# Allegro board 8880F5-0826_3.brd (continued)
## Routing (per net, layer and track width the routed paths; a pad name or vN(x,y) marks a point on that pad's centre or on a via; arc(x,y) is an arc through that point) (continued)
  L03_SIGNAL w0.074: 411.48,329.39 D109.B5 ; D109.B5 412.29,330.2 ; D109.B5 411.48,331.01 ; D109.B5 410.67,330.2 ; 316.69,375.92 D115.A13 ; D115.A13 317.5,375.11 ; D115.A13 318.31,375.92 ; D115.A13 317.5,376.73 ; 180.34,72.85 D118.A9 ; D118.A9 180.34,74.47 ; D118.A9 179.53,73.66 ; D118.A9 181.15,73.66 ; D321.B6 247.09,91.44 ; D321.B6 245.67,91.44 ; D321.B6 246.38,90.73 ; D321.B6 246.38,92.15 ; D107.B7 397.05,58.42 ; D107.B7 395.43,58.42 ; D107.B7 396.24,57.61 ; D107.B7 396.24,59.23 ; 45.72,75.39 D126.A14 ; D126.A14 46.53,76.2 ; D126.A14 44.91,76.2 ; D126.A14 45.72,77.01 ; D317.A1 160.02,84.53 ; D317.A1 159.31,83.82 ; D317.A1 160.73,83.82 ; D317.A1 160.02,83.11 ; 124.46,95.71 D129.A16 ; D129.A16 123.65,96.52 ; D129.A16 124.46,97.33 ; D129.A16 125.27,96.52 ; 388.62,352.25 D110.A14 ; D110.A14 389.43,353.06 ; D110.A14 388.62,353.87 ; D110.A14 387.81,353.06 ; CSDPS225.B2 271.78,333.55 ; CSDPS225.B2 272.59,332.74 ; CSDPS225.B2 270.97,332.74 ; CSDPS225.B2 271.78,331.93 ; D108.B16 419.91,40.64 ; D108.B16 419.1,39.83 ; D108.B16 419.1,41.45 ; D108.B16 418.29,40.64 ; 124.46,60.15 D131.B16 ; D131.B16 124.46,61.77 ; D131.B16 123.65,60.96 ; D131.B16 125.27,60.96 ; D126.B12 40.64,82.09 ; D126.B12 40.64,80.47 ; D126.B12 39.83,81.28 ; D126.B12 41.45,81.28 ; 347.17,391.16 D116.B1 ; D116.B1 347.98,391.97 ; D116.B1 348.79,391.16 ; D116.B1 347.98,390.35 ; D103.B12 335.28,61.77 ; D103.B12 335.28,60.15 ; D103.B12 336.09,60.96 ; D103.B12 334.47,60.96 ; D112.A2 419.1,394.51 ; D112.A2 418.29,393.7 ; D112.A2 419.1,392.89 ; D112.A2 419.91,393.7 ; D122.B1 234.49,78.74 ; D122.B1 233.68,79.55 ; D122.B1 233.68,77.93 ; D122.B1 232.87,78.74 ; UNK3U2.4 97.4,176.4 ; UNK3U2.4 97.4,174.52 ; UNK3U2.4 96.46,175.46 ; UNK3U2.4 98.34,175.46 ; 347.98,349.71 D114.B1 ; D114.B1 347.17,350.52 ; D114.B1 348.79,350.52 ; D114.B1 347.98,351.33 ; D124.A9 254,33.83 ; D124.A9 254.81,33.02 ; D124.A9 254,32.21 ; D124.A9 253.19,33.02 ; D106.B8 398.78,82.09 ; D106.B8 398.78,80.47 ; D106.B8 399.59,81.28 ; D106.B8 397.97,81.28 ; 410.67,391.16 D112.B5 ; D112.B5 411.48,390.35 ; D112.B5 412.29,391.16 ; D112.B5 411.48,391.97 ; D109.A5 411.48,336.09 ; D109.A5 411.48,334.47 ; D109.A5 412.29,335.28 ; D109.A5 410.67,335.28 ; D322.B4 242.01,71.12 ; D322.B4 240.59,71.12 ; D322.B4 241.3,71.83 ; D322.B4 241.3,70.41 ; 330.2,326.85 D113.B8 ; D113.B8 331.01,327.66 ; D113.B8 330.2,328.47 ; D113.B8 329.39,327.66 ; 340.36,387.81 D116.B4 ; D116.B4 341.17,388.62 ; D116.B4 340.36,389.43 ; D116.B4 339.55,388.62 ; D109.A11 396.24,336.09 ; D109.A11 395.43,335.28 ; D109.A11 396.24,334.47 ; D109.A11 397.05,335.28 ; 339.55,327.66 D113.B4 ; D113.B4 340.36,326.85 ; D113.B4 341.17,327.66 ; D113.B4 340.36,328.47 ; SITE4.G2 329.81,181.33 ; SITE4.G2 329.33,181.81 ; SITE4.G2 329.33,180.85 ; SITE4.G2 328.85,181.33 ; D130.A14 120.19,76.2 ; D130.A14 119.38,75.39 ; D130.A14 118.57,76.2 ; D130.A14 119.38,77.01 ; D124.A11 259.89,33.02 ; D124.A11 259.08,32.21 ; D124.A11 259.08,33.83 ; D124.A11 258.27,33.02 ; D103.B11 333.55,58.42 ; D103.B11 332.74,59.23 ; D103.B11 331.93,58.42 ; D103.B11 332.74,57.61 ; 405.59,350.52 D110.B7 ; D110.B7 406.4,351.33 ; D110.B7 407.21,350.52 ; D110.B7 406.4,349.71 ; D110.B8 404.67,347.98 ; D110.B8 403.86,348.79 ; D110.B8 403.05,347.98 ; D110.B8 403.86,347.17 ; 320.04,39.83 D104.B6 ; D104.B6 320.85,40.64 ; D104.B6 319.23,40.64 ; D104.B6 320.04,41.45 ; 97.14,218.21 U2.4 ; U2.4 98.08,219.15 ; U2.4 97.14,220.09 ; U2.4 96.2,219.15 ; D106.A2 383.54,77.01 ; D106.A2 383.54,75.39 ; D106.A2 382.73,76.2 ; D106.A2 384.35,76.2 ; 22.86,98.25 D125.B5 ; D125.B5 23.67,99.06 ; D125.B5 22.86,99.87 ; D125.B5 22.05,99.06 ; 106.68,32.21 D132.A9 ; D132.A9 107.49,33.02 ; D132.A9 105.87,33.02 ; D132.A9 106.68,33.83 ; 182.07,342.9 CSDPS429.B8 ; CSDPS429.B8 182.88,343.71 ; CSDPS429.B8 182.88,342.09 ; CSDPS429.B8 183.69,342.9 ; D103.B15 342.9,59.23 ; D103.B15 343.71,58.42 ; D103.B15 342.9,57.61 ; D103.B15 342.09,58.42 ; 182.88,331.93 CSDPS229.B8 ; CSDPS229.B8 182.07,332.74 ; CSDPS229.B8 183.69,332.74 ; CSDPS229.B8 182.88,333.55 ; D322.B2 236.22,71.83 ; D322.B2 235.51,71.12 ; D322.B2 236.22,70.41 ; D322.B2 236.93,71.12 ; 329.39,55.88 D103.A10 ; D103.A10 330.2,55.07 ; D103.A10 331.01,55.88 ; D103.A10 330.2,56.69 ; 330.23,182.35 SITE4.G14 ; SITE4.G14 330.23,183.31 ; SITE4.G14 329.75,182.83 ; SITE4.G14 330.71,182.83 ; D112.A3 417.37,396.24 ; D112.A3 415.75,396.24 ; D112.A3 416.56,397.05 ; D112.A3 416.56,395.43 ; 330.33,180.85 SITE4.G3 ; SITE4.G3 329.85,181.33 ; SITE4.G3 330.81,181.33 ; SITE4.G3 330.33,181.81 ; CSDPS425.C3 270.05,340.36 ; CSDPS425.C3 269.24,341.17 ; CSDPS425.C3 268.43,340.36 ; CSDPS425.C3 269.24,339.55 ; D118.A15 195.58,74.47 ; D118.A15 196.39,73.66 ; D118.A15 194.77,73.66 ; D118.A15 195.58,72.85 ; 110.95,93.98 D129.A11 ; D129.A11 111.76,94.79 ; D129.A11 111.76,93.17 ; D129.A11 112.57,93.98 ; D111.A2 419.91,373.38 ; D111.A2 419.1,374.19 ; D111.A2 419.1,372.57 ; D111.A2 418.29,373.38 ; D106.B5 391.97,78.74 ; D106.B5 391.16,79.55 ; D106.B5 391.16,77.93 ; D106.B5 390.35,78.74 ; 236.22,60.15 D123.B2 ; D123.B2 237.03,60.96 ; D123.B2 236.22,61.77 ; D123.B2 235.41,60.96 ; 121.92,37.29 D132.B15 ; D132.B15 121.92,38.91 ; D132.B15 121.11,38.1 ; D132.B15 122.73,38.1 ; 382.83,86.36 D305.A2 ; D305.A2 383.54,85.65 ; D305.A2 383.54,87.07 ; D305.A2 384.25,86.36 ; D126.A3 18.59,73.66 ; D126.A3 17.78,74.47 ; D126.A3 16.97,73.66 ; D126.A3 17.78,72.85 ; 250.65,332.74 CSDPS225.B10 ; CSDPS225.B10 251.46,331.93 ; CSDPS225.B10 251.46,333.55 ; CSDPS225.B10 252.27,332.74 ; SITE1.G14 250.23,243.31 ; SITE1.G14 249.75,242.83 ; SITE1.G14 250.71,242.83 ; SITE1.G14 250.23,242.35 ; D123.B6 246.38,61.77 ; D123.B6 247.19,60.96 ; D123.B6 246.38,60.15 ; D123.B6 245.57,60.96 ; D317.A11 185.42,84.53 ; D317.A11 185.42,83.11 ; D317.A11 184.71,83.82 ; D317.A11 186.13,83.82 ; D116.A15 312.42,397.05 ; D116.A15 312.42,395.43 ; D116.A15 311.61,396.24 ; D116.A15 313.23,396.24 ; D120.A5 170.18,33.83 ; D120.A5 169.37,33.02 ; D120.A5 170.18,32.21 ; D120.A5 170.99,33.02 ; 179.63,83.82 D317.A9 ; D317.A9 180.34,84.53 ; D317.A9 181.05,83.82 ; D317.A9 180.34,83.11 ; D431.A13 170.18,386.89 ; D431.A13 169.37,386.08 ; D431.A13 170.99,386.08 ; D431.A13 170.18,385.27 ; D119.B15 196.39,58.42 ; D119.B15 194.77,58.42 ; D119.B15 195.58,57.61 ; D119.B15 195.58,59.23 ; D301.A6 320.75,86.36 ; D301.A6 320.04,87.07 ; D301.A6 319.33,86.36 ; D301.A6 320.04,85.65 ; D128.A14 46.53,35.56 ; D128.A14 45.72,36.37 ; D128.A14 45.72,34.75 ; D128.A14 44.91,35.56 ; 332.74,354.79 D114.A7 ; D114.A7 332.74,356.41 ; D114.A7 331.93,355.6 ; D114.A7 333.55,355.6 ; 199.85,375.92 D231.A1 ; D231.A1 200.66,375.11 ; D231.A1 201.47,375.92 ; D231.A1 200.66,376.73 ; D113.A9 327.66,336.09 ; D113.A9 327.66,334.47 ; D113.A9 328.47,335.28 ; D113.A9 326.85,335.28 ; DPS3.A15 270.05,13.97 ; DPS3.A15 268.43,13.97 ; DPS3.A15 269.24,14.78 ; DPS3.A15 269.24,13.16 ; D111.B16 384.35,368.3 ; D111.B16 383.54,367.49 ; D111.B16 382.73,368.3 ; D111.B16 383.54,369.11 ; D431.B5 190.5,381.81 ; D431.B5 191.31,381 ; D431.B5 190.5,380.19 ; D431.B5 189.69,381 ; D306.B11 406.4,69.29 ; D306.B11 406.4,67.87 ; D306.B11 407.11,68.58 ; D306.B11 405.69,68.58 ; 12.7,72.85 D126.A1 ; D126.A1 11.89,73.66 ; D126.A1 13.51,73.66 ; D126.A1 12.7,74.47 ; 382.73,347.98 D110.B16 ; D110.B16 384.35,347.98 ; D110.B16 383.54,347.17 ; D110.B16 383.54,348.79 ; 337.01,350.52 D114.B5 ; D114.B5 337.82,349.71 ; D114.B5 337.82,351.33 ; D114.B5 338.63,350.52 ; 403.86,55.07 D107.A10 ; D107.A10 404.67,55.88 ; D107.A10 403.86,56.69 ; D107.A10 403.05,55.88 ; D132.B3 92.25,38.1 ; D132.B3 90.63,38.1 ; D132.B3 91.44,38.91 ; D132.B3 91.44,37.29 ; 237.95,38.1 D124.B3 ; D124.B3 239.57,38.1 ; D124.B3 238.76,37.29 ; D124.B3 238.76,38.91 ; 160.02,88.19 D317.B1 ; D317.B1 160.73,88.9 ; D317.B1 159.31,88.9 ; D317.B1 160.02,89.61 ; 253.19,38.1 D124.B9 ; D124.B9 254,37.29 ; D124.B9 254.81,38.1 ; D124.B9 254,38.91 ; 337.01,38.1 D104.B13 ; D104.B13 337.82,38.91 ; D104.B13 338.63,38.1 ; D104.B13 337.82,37.29 ; 342.09,350.52 D114.B3 ; D114.B3 343.71,350.52 ; D114.B3 342.9,351.33 ; D114.B3 342.9,349.71 ; 33.02,52.53 D127.A9 ; D127.A9 32.21,53.34 ; D127.A9 33.02,54.15 ; D127.A9 33.83,53.34 ; D114.A5 337.82,356.41 ; D114.A5 337.01,355.6 ; D114.A5 338.63,355.6 ; D114.A5 337.82,354.79 ; 387.81,368.3 D111.B14 ; D111.B14 388.62,367.49 ; D111.B14 388.62,369.11 ; D111.B14 389.43,368.3 ; 194.77,33.02 D120.A15 ; D120.A15 195.58,32.21 ; D120.A15 196.39,33.02 ; D120.A15 195.58,33.83 ; 415.85,88.9 D305.B15 ; D305.B15 416.56,88.19 ; D305.B15 416.56,89.61 ; D305.B15 417.27,88.9 ; CSDPS429.C3 195.58,341.17 ; CSDPS429.C3 196.39,340.36 ; CSDPS429.C3 194.77,340.36 ; CSDPS429.C3 195.58,339.55 ; 268.53,83.82 D321.A15 ; D321.A15 269.95,83.82 ; D321.A15 269.24,83.11 ; D321.A15 269.24,84.53 ; D431.A2 198.93,383.54 ; D431.A2 198.12,384.35 ; D431.A2 197.31,383.54 ; D431.A2 198.12,382.73 ; D306.B4 388.62,71.83 ; D306.B4 389.33,71.12 ; D306.B4 387.91,71.12 ; D306.B4 388.62,70.41 ; 118.57,96.52 D129.A14 ; D129.A14 119.38,97.33 ; D129.A14 120.19,96.52 ; D129.A14 119.38,95.71 ; 329.03,242.35 SITE2.G13 ; SITE2.G13 328.55,242.83 ; SITE2.G13 329.51,242.83 ; SITE2.G13 329.03,243.31 ; 249.85,181.33 SITE3.G3 ; SITE3.G3 250.33,180.85 ; SITE3.G3 250.81,181.33 ; SITE3.G3 250.33,181.81 ; 250.65,81.28 D122.B8 ; D122.B8 252.27,81.28 ; D122.B8 251.46,82.09 ; D122.B8 251.46,80.47 ; D126.A13 43.99,73.66 ; D126.A13 42.37,73.66 ; D126.A13 43.18,72.85 ; D126.A13 43.18,74.47 ; D132.B9 106.68,38.91 ; D132.B9 106.68,37.29 ; D132.B9 105.87,38.1 ; D132.B9 107.49,38.1 ; D132.B14 120.19,40.64 ; D132.B14 118.57,40.64 ; D132.B14 119.38,39.83 ; D132.B14 119.38,41.45 ; 255.73,55.88 D123.A10 ; D123.A10 257.35,55.88 ; D123.A10 256.54,56.69 ; D123.A10 256.54,55.07 ; D113.B7 333.55,330.2 ; D113.B7 331.93,330.2 ; D113.B7 332.74,331.01 ; D113.B7 332.74,329.39 ; D123.B8 252.27,60.96 ; D123.B8 250.65,60.96 ; D123.B8 251.46,60.15 ; D123.B8 251.46,61.77 ; 411.48,395.43 D112.A5 ; D112.A5 410.67,396.24 ; D112.A5 411.48,397.05 ; D112.A5 412.29,396.24 ; 403.86,39.83 D108.B10 ; D108.B10 403.86,41.45 ; D108.B10 403.05,40.64 ; D108.B10 404.67,40.64 ; SITE4.G1 328.81,181.33 ; SITE4.G1 328.33,180.85 ; SITE4.G1 327.85,181.33 ; SITE4.G1 328.33,181.81 ; 330.85,241.33 SITE2.G4 ; SITE2.G4 331.33,241.81 ; SITE2.G4 331.33,240.85 ; SITE2.G4 331.81,241.33 ; D305.A9 401.32,84.53 ; D305.A9 402.03,83.82 ; D305.A9 401.32,83.11 ; D305.A9 400.61,83.82 ; CSDPS425.C13 243.84,341.17 ; CSDPS425.C13 243.03,340.36 ; CSDPS425.C13 243.84,339.55 ; CSDPS425.C13 244.65,340.36 ; D108.A13 411.48,33.83 ; D108.A13 412.29,33.02 ; D108.A13 410.67,33.02 ; D108.A13 411.48,32.21 ; 328.33,247.45 SITE2.G7 ; SITE2.G7 328.33,248.41 ; SITE2.G7 328.81,247.93 ; SITE2.G7 327.85,247.93 ; 388.62,65.33 D306.A4 ; D306.A4 387.91,66.04 ; D306.A4 388.62,66.75 ; D306.A4 389.33,66.04 ; 121.11,99.06 D129.B15 ; D129.B15 121.92,98.25 ; D129.B15 121.92,99.87 ; D129.B15 122.73,99.06 ; 270.97,342.9 CSDPS425.B2 ; CSDPS425.B2 272.59,342.9 ; CSDPS425.B2 271.78,343.71 ; CSDPS425.B2 271.78,342.09 ; 322.58,67.87 D302.B7 ; D302.B7 323.29,68.58 ; D302.B7 322.58,69.29 ; D302.B7 321.87,68.58 ; 247.85,187.93 SITE3.G7 ; SITE3.G7 248.81,187.93 ; SITE3.G7 248.33,188.41 ; SITE3.G7 248.33,187.45 ; CSDPS429.B16 162.56,343.71 ; CSDPS429.B16 161.75,342.9 ; CSDPS429.B16 162.56,342.09 ; CSDPS429.B16 163.37,342.9 ; D114.B7 333.55,350.52 ; D114.B7 331.93,350.52 ; D114.B7 332.74,349.71 ; D114.B7 332.74,351.33 ; D125.B11 38.1,99.87 ; D125.B11 38.1,98.25 ; D125.B11 37.29,99.06 ; D125.B11 38.91,99.06 ; 194.87,63.5 D318.A15 ; D318.A15 195.58,64.21 ; D318.A15 196.29,63.5 ; D318.A15 195.58,62.79 ; SITE3.G4 251.33,181.81 ; SITE3.G4 251.81,181.33 ; SITE3.G4 250.85,181.33 ; SITE3.G4 251.33,180.85 ; UNK4U2.4 483.43,171.51 ; UNK4U2.4 481.55,171.51 ; UNK4U2.4 482.49,170.56 ; UNK4U2.4 482.49,172.45 ; 247.85,241.33 SITE1.G1 ; SITE1.G1 248.81,241.33 ; SITE1.G1 248.33,240.85 ; SITE1.G1 248.33,241.81 ; D109.B15 386.08,331.01 ; D109.B15 386.08,329.39 ; D109.B15 385.27,330.2 ; D109.B15 386.89,330.2 ; 270.97,81.28 D122.B16 ; D122.B16 272.59,81.28 ; D122.B16 271.78,82.09 ; D122.B16 271.78,80.47 ; SITE3.G11 252.81,187.93 ; SITE3.G11 251.85,187.93 ; SITE3.G11 252.33,187.45 ; SITE3.G11 252.33,188.41 ; D321.B16 271.78,92.15 ; D321.B16 271.78,90.73 ; D321.B16 271.07,91.44 ; D321.B16 272.49,91.44 ; 411.48,88.19 D305.B13 ; D305.B13 412.19,88.9 ; D305.B13 410.77,88.9 ; D305.B13 411.48,89.61 ; D322.B11 259.79,68.58 ; D322.B11 259.08,69.29 ; D322.B11 259.08,67.87 ; D322.B11 258.37,68.58 ; D107.B12 409.75,60.96 ; D107.B12 408.94,60.15 ; D107.B12 408.94,61.77 ; D107.B12 408.13,60.96 ; 414.02,80.47 D106.B14 ; D106.B14 413.21,81.28 ; D106.B14 414.83,81.28 ; D106.B14 414.02,82.09 ; 250.65,55.88 D123.A8 ; D123.A8 251.46,56.69 ; D123.A8 252.27,55.88 ; D123.A8 251.46,55.07 ; D131.A16 124.46,56.69 ; D131.A16 123.65,55.88 ; D131.A16 125.27,55.88 ; D131.A16 124.46,55.07 ; 176.99,373.38 D231.A10 ; D231.A10 178.61,373.38 ; D231.A10 177.8,372.57 ; D231.A10 177.8,374.19 ; 413.21,40.64 D108.B14 ; D108.B14 414.83,40.64 ; D108.B14 414.02,41.45 ; D108.B14 414.02,39.83 ; 245.57,332.74 CSDPS225.B12 ; CSDPS225.B12 246.38,331.93 ; CSDPS225.B12 247.19,332.74 ; CSDPS225.B12 246.38,333.55 ; D106.A5 391.97,73.66 ; D106.A5 391.16,72.85 ; D106.A5 390.35,73.66 ; D106.A5 391.16,74.47 ; 179.53,78.74 D118.B9 ; D118.B9 180.34,77.93 ; D118.B9 180.34,79.55 ; D118.B9 181.15,78.74 ; D302.B9 328.37,68.58 ; D302.B9 327.66,69.29 ; D302.B9 327.66,67.87 ; D302.B9 326.95,68.58 ; 311.61,391.16 D116.B15 ; D116.B15 312.42,390.35 ; D116.B15 312.42,391.97 ; D116.B15 313.23,391.16 ; 261.62,65.33 D322.A12 ; D322.A12 260.91,66.04 ; D322.A12 261.62,66.75 ; D322.A12 262.33,66.04 ; 337.82,375.11 D115.A5 ; D115.A5 337.01,375.92 ; D115.A5 338.63,375.92 ; D115.A5 337.82,376.73 ; 184.61,58.42 D119.B11 ; D119.B11 185.42,57.61 ; D119.B11 186.23,58.42 ; D119.B11 185.42,59.23 ; 268.43,38.1 D124.B15 ; D124.B15 269.24,38.91 ; D124.B15 269.24,37.29 ; D124.B15 270.05,38.1 ; D122.B14 267.51,81.28 ; D122.B14 265.89,81.28 ; D122.B14 266.7,80.47 ; D122.B14 266.7,82.09 ; 161.75,81.28 D118.B2 ; D118.B2 162.56,80.47 ; D118.B2 163.37,81.28 ; D118.B2 162.56,82.09 ; 47.45,33.02 D128.A15 ; D128.A15 49.07,33.02 ; D128.A15 48.26,32.21 ; D128.A15 48.26,33.83 ; D124.A1 234.49,33.02 ; D124.A1 232.87,33.02 ; D124.A1 233.68,32.21 ; D124.A1 233.68,33.83 ; 410.67,73.66 D106.A13 ; D106.A13 411.48,72.85 ; D106.A13 412.29,73.66 ; D106.A13 411.48,74.47 ; D118.A7 175.26,74.47 ; D118.A7 175.26,72.85 ; D118.A7 176.07,73.66 ; D118.A7 174.45,73.66 ; 420.83,391.16 D112.B1 ; D112.B1 421.64,391.97 ; D112.B1 421.64,390.35 ; D112.B1 422.45,391.16 ; D108.B7 397.05,38.1 ; D108.B7 396.24,37.29 ; D108.B7 396.24,38.91 ; D108.B7 395.43,38.1 ; 167.64,342.09 CSDPS429.B14 ; CSDPS429.B14 168.45,342.9 ; CSDPS429.B14 167.64,343.71 ; CSDPS429.B14 166.83,342.9 ; 182.07,35.56 D120.A10 ; D120.A10 183.69,35.56 ; D120.A10 182.88,34.75 ; D120.A10 182.88,36.37 ; D431.B8 183.69,378.46 ; D431.B8 182.88,377.65 ; D431.B8 182.07,378.46 ; D431.B8 182.88,379.27 ; D301.A10 330.91,86.36 ; D301.A10 330.2,85.65 ; D301.A10 329.49,86.36 ; D301.A10 330.2,87.07 ; D107.A4 389.43,55.88 ; D107.A4 388.62,56.69 ; D107.A4 387.81,55.88 ; D107.A4 388.62,55.07 ; D102.A14 340.36,77.01 ; D102.A14 341.17,76.2 ; D102.A14 340.36,75.39 ; D102.A14 339.55,76.2 ; D129.A15 121.92,94.79 ; D129.A15 122.73,93.98 ; D129.A15 121.11,93.98 ; D129.A15 121.92,93.17 ; D108.A4 388.62,36.37 ; D108.A4 388.62,34.75 ; D108.A4 387.81,35.56 ; D108.A4 389.43,35.56 ; D431.B2 198.12,379.27 ; D431.B2 198.12,377.65 ; D431.B2 198.93,378.46 ; D431.B2 197.31,378.46 ; D104.B12 336.09,40.64 ; D104.B12 334.47,40.64 ; D104.B12 335.28,39.83 ; D104.B12 335.28,41.45 ; DPS2.A01 348.79,415.29 ; DPS2.A01 347.98,414.48 ; DPS2.A01 347.17,415.29 ; DPS2.A01 347.98,416.1 ; 114.3,55.07 D131.A12 ; D131.A12 115.11,55.88 ; D131.A12 113.49,55.88 ; D131.A12 114.3,56.69 ; 517.98,203.45 S4_I2C.4 ; S4_I2C.4 519.86,203.45 ; S4_I2C.4 518.92,204.39 ; S4_I2C.4 518.92,202.51 ; D111.B7 407.21,370.84 ; D111.B7 406.4,371.65 ; D111.B7 405.59,370.84 ; D111.B7 406.4,370.03 ; D131.B2 88.9,61.77 ; D131.B2 89.71,60.96 ; D131.B2 88.09,60.96 ; D131.B2 88.9,60.15 ; 344.63,327.66 D113.B2 ; D113.B2 345.44,326.85 ; D113.B2 345.44,328.47 ; D113.B2 346.25,327.66 ; D302.A14 340.36,66.75 ; D302.A14 341.07,66.04 ; D302.A14 340.36,65.33 ; D302.A14 339.65,66.04 ; DPS8.C11 176.07,410.21 ; DPS8.C11 175.26,411.02 ; DPS8.C11 175.26,409.4 ; DPS8.C11 174.45,410.21 ; 392.89,40.64 D108.B6 ; D108.B6 393.7,39.83 ; D108.B6 394.51,40.64 ; D108.B6 393.7,41.45 ; CSDPS429.C5 191.31,340.36 ; CSDPS429.C5 189.69,340.36 ; CSDPS429.C5 190.5,339.55 ; CSDPS429.C5 190.5,341.17 ; 306.63,88.9 D301.B1 ; D301.B1 308.05,88.9 ; D301.B1 307.34,89.61 ; D301.B1 307.34,88.19 ; D104.A16 346.25,35.56 ; D104.A16 344.63,35.56 ; D104.A16 345.44,34.75 ; D104.A16 345.44,36.37 ; 96.52,77.93 D130.B5 ; D130.B5 95.71,78.74 ; D130.B5 97.33,78.74 ; D130.B5 96.52,79.55 ; 392.89,368.3 D111.B12 ; D111.B12 394.51,368.3 ; D111.B12 393.7,369.11 ; D111.B12 393.7,367.49 ; D102.A11 333.55,73.66 ; D102.A11 332.74,74.47 ; D102.A11 332.74,72.85 ; D102.A11 331.93,73.66 ; 174.45,58.42 D119.B7 ; D119.B7 176.07,58.42 ; D119.B7 175.26,57.61 ; D119.B7 175.26,59.23 ; 176.99,81.28 D118.B8 ; D118.B8 178.61,81.28 ; D118.B8 177.8,82.09 ; D118.B8 177.8,80.47 ; DPS1.A05 391.16,14.78 ; DPS1.A05 391.16,13.16 ; DPS1.A05 391.97,13.97 ; DPS1.A05 390.35,13.97 ; D132.A14 120.19,35.56 ; D132.A14 119.38,36.37 ; D132.A14 118.57,35.56 ; D132.A14 119.38,34.75 ; 164.39,68.58 D318.B3 ; D318.B3 165.1,67.87 ; D318.B3 165.81,68.58 ; D318.B3 165.1,69.29 ; 246.38,75.39 D122.A6 ; D122.A6 246.38,77.01 ; D122.A6 247.19,76.2 ; D122.A6 245.57,76.2 ; D123.A2 236.22,56.69 ; D123.A2 235.41,55.88 ; D123.A2 236.22,55.07 ; D123.A2 237.03,55.88 ; 317.5,67.87 D302.B5 ; D302.B5 316.79,68.58 ; D302.B5 317.5,69.29 ; D302.B5 318.21,68.58 ; 390.35,335.28 D109.A13 ; D109.A13 391.16,336.09 ; D109.A13 391.97,335.28 ; D109.A13 391.16,334.47 ; 319.23,347.98 D114.B12 ; D114.B12 320.85,347.98 ; D114.B12 320.04,348.79 ; D114.B12 320.04,347.17 ; 342.19,83.82 D301.A15 ; D301.A15 342.9,83.11 ; D301.A15 343.61,83.82 ; D301.A15 342.9,84.53 ; 401.32,370.03 D111.B9 ; D111.B9 401.32,371.65 ; D111.B9 400.51,370.84 ; D111.B9 402.13,370.84 ; 344.73,91.44 D301.B16 ; D301.B16 345.44,92.15 ; D301.B16 345.44,90.73 ; D301.B16 346.15,91.44 ; D125.B4 21.13,101.6 ; D125.B4 20.32,100.79 ; D125.B4 19.51,101.6 ; D125.B4 20.32,102.41 ; D108.B1 381,38.91 ; D108.B1 381,37.29 ; D108.B1 380.19,38.1 ; D108.B1 381.81,38.1 ; D119.B16 198.93,60.96 ; D119.B16 198.12,60.15 ; D119.B16 198.12,61.77 ; D119.B16 197.31,60.96 ; 22.86,37.29 D128.B5 ; D128.B5 22.05,38.1 ; D128.B5 23.67,38.1 ; D128.B5 22.86,38.91 ; D129.B12 114.3,102.41 ; D129.B12 115.11,101.6 ; D129.B12 113.49,101.6 ; D129.B12 114.3,100.79 ; D127.B3 17.78,59.23 ; D127.B3 17.78,57.61 ; D127.B3 18.59,58.42 ; D127.B3 16.97,58.42 ; 391.16,52.53 D107.A5 ; D107.A5 391.97,53.34 ; D107.A5 390.35,53.34 ; D107.A5 391.16,54.15 ; SITE4.G18 330.71,186.43 ; SITE4.G18 329.75,186.43 ; SITE4.G18 330.23,186.91 ; SITE4.G18 330.23,185.95 ; D109.B16 384.35,327.66 ; D109.B16 383.54,326.85 ; D109.B16 383.54,328.47 ; D109.B16 382.73,327.66 ; D302.A13 338.53,63.5 ; D302.A13 337.82,64.21 ; D302.A13 337.11,63.5 ; D302.A13 337.82,62.79 ; 317.5,83.11 D301.A5 ; D301.A5 318.21,83.82 ; D301.A5 317.5,84.53 ; D301.A5 316.79,83.82 ; 309.07,353.06 D114.A16 ; D114.A16 309.88,352.25 ; D114.A16 309.88,353.87 ; D114.A16 310.69,353.06 ; D115.B1 348.79,370.84 ; D115.B1 347.98,370.03 ; D115.B1 347.98,371.65 ; D115.B1 347.17,370.84 ; 16.97,33.02 D128.A3 ; D128.A3 17.78,33.83 ; D128.A3 18.59,33.02 ; D128.A3 17.78,32.21 ; SITE3.G18 250.23,186.91 ; SITE3.G18 250.71,186.43 ; SITE3.G18 249.75,186.43 ; SITE3.G18 250.23,185.95 ; D116.B10 325.12,389.43 ; D116.B10 324.31,388.62 ; D116.B10 325.12,387.81 ; D116.B10 325.93,388.62 ; 99.06,100.79 D129.B6 ; D129.B6 99.87,101.6 ; D129.B6 99.06,102.41 ; D129.B6 98.25,101.6 ; 174.55,68.58 D318.B7 ; D318.B7 175.26,69.29 ; D318.B7 175.26,67.87 ; D318.B7 175.97,68.58 ; 344.63,353.06 D114.A2 ; D114.A2 345.44,352.25 ; D114.A2 345.44,353.87 ; D114.A2 346.25,353.06 ; 380.19,58.42 D107.B1 ; D107.B1 381,57.61 ; D107.B1 381,59.23 ; D107.B1 381.81,58.42 ; D131.B8 104.95,60.96 ; D131.B8 103.33,60.96 ; D131.B8 104.14,61.77 ; D131.B8 104.14,60.15 ; D318.A14 193.04,66.75 ; D318.A14 192.33,66.04 ; D318.A14 193.75,66.04 ; D318.A14 193.04,65.33 ; D322.B8 252.17,71.12 ; D322.B8 250.75,71.12 ; D322.B8 251.46,70.41 ; D322.B8 251.46,71.83 ; 398.78,331.93 D109.A10 ; D109.A10 398.78,333.55 ; D109.A10 399.59,332.74 ; D109.A10 397.97,332.74 ; SITE1.G13 249.51,242.83 ; SITE1.G13 249.03,242.35 ; SITE1.G13 248.55,242.83 ; SITE1.G13 249.03,243.31 ; SITE2.G18 330.23,246.91 ; SITE2.G18 329.75,246.43 ; SITE2.G18 330.71,246.43 ; SITE2.G18 330.23,245.95 ; 411.48,77.93 D106.B13 ; D106.B13 411.48,79.55 ; D106.B13 410.67,78.74 ; D106.B13 412.29,78.74 ; D130.A15 121.92,74.47 ; D130.A15 122.73,73.66 ; D130.A15 121.11,73.66 ; D130.A15 121.92,72.85 ; 419.1,85.65 D305.A16 ; D305.A16 419.1,87.07 ; D305.A16 419.81,86.36 ; D305.A16 418.39,86.36 ; D124.B16 272.59,40.64 ; D124.B16 270.97,40.64 ; D124.B16 271.78,41.45 ; D124.B16 271.78,39.83 ; 265.89,40.64 D124.B14 ; D124.B14 266.7,41.45 ; D124.B14 266.7,39.83 ; D124.B14 267.51,40.64 ; D305.B11 406.4,89.61 ; D305.B11 407.11,88.9 ; D305.B11 406.4,88.19 ; D305.B11 405.69,88.9 ; 322.58,414.48 DPS2.A11 ; DPS2.A11 321.77,415.29 ; DPS2.A11 323.39,415.29 ; DPS2.A11 322.58,416.1 ; D127.B1 13.51,58.42 ; D127.B1 12.7,59.23 ; D127.B1 12.7,57.61 ; D127.B1 11.89,58.42 ; D104.B11 333.55,38.1 ; D104.B11 331.93,38.1 ; D104.B11 332.74,38.91 ; D104.B11 332.74,37.29 ; D120.B16 198.12,41.45 ; D120.B16 198.93,40.64 ; D120.B16 197.31,40.64 ; D120.B16 198.12,39.83 ; D115.B4 340.36,369.11 ; D115.B4 341.17,368.3 ; D115.B4 339.55,368.3 ; D115.B4 340.36,367.49 ; 316.79,63.5 D302.A5 ; D302.A5 317.5,64.21 ; D302.A5 318.21,63.5 ; D302.A5 317.5,62.79 ; 171.91,368.3 D231.B12 ; D231.B12 173.53,368.3 ; D231.B12 172.72,369.11 ; D231.B12 172.72,367.49 ; 418.29,35.56 D108.A16 ; D108.A16 419.1,34.75 ; D108.A16 419.1,36.37 ; D108.A16 419.91,35.56 ; D129.A12 115.11,96.52 ; D129.A12 113.49,96.52 ; D129.A12 114.3,97.33 ; D129.A12 114.3,95.71 ; 324.31,347.98 D114.B10 ; D114.B10 325.12,348.79 ; D114.B10 325.93,347.98 ; D114.B10 325.12,347.17 ; 24.59,55.88 D127.A6 ; D127.A6 26.21,55.88 ; D127.A6 25.4,56.69 ; D127.A6 25.4,55.07 ; 340.36,90.73 D301.B14 ; D301.B14 339.65,91.44 ; D301.B14 341.07,91.44 ; D301.B14 340.36,92.15 ; D113.B6 336.09,327.66 ; D113.B6 335.28,326.85 ; D113.B6 334.47,327.66 ; D113.B6 335.28,328.47 ; 332.63,245.95 SITE2.G20 ; SITE2.G20 332.15,246.43 ; SITE2.G20 332.63,246.91 ; SITE2.G20 333.11,246.43 ; 266.7,85.65 D321.A14 ; D321.A14 265.99,86.36 ; D321.A14 267.41,86.36 ; D321.A14 266.7,87.07 ; D132.A8 104.14,36.37 ; D132.A8 104.95,35.56 ; D132.A8 103.33,35.56 ; D132.A8 104.14,34.75 ; D122.A5 244.65,73.66 ; D122.A5 243.84,74.47 ; D122.A5 243.84,72.85 ; D122.A5 243.03,73.66 ; 261.62,39.83 D124.B12 ; D124.B12 262.43,40.64 ; D124.B12 260.81,40.64 ; D124.B12 261.62,41.45 ; 260.91,91.44 D321.B12 ; D321.B12 262.33,91.44 ; D321.B12 261.62,92.15 ; D321.B12 261.62,90.73 ; DPS1.A15 416.56,14.78 ; DPS1.A15 415.75,13.97 ; DPS1.A15 417.37,13.97 ; DPS1.A15 416.56,13.16 ; D132.B6 99.06,41.45 ; D132.B6 98.25,40.64 ; D132.B6 99.87,40.64 ; D132.B6 99.06,39.83 ; 15.24,100.79 D125.B2 ; D125.B2 16.05,101.6 ; D125.B2 14.43,101.6 ; D125.B2 15.24,102.41 ; 253.19,53.34 D123.A9 ; D123.A9 254,54.15 ; D123.A9 254.81,53.34 ; D123.A9 254,52.53 ; D115.B5 337.82,371.65 ; D115.B5 337.82,370.03 ; D115.B5 338.63,370.84 ; D115.B5 337.01,370.84 ; SITE1.G7 248.81,247.93 ; SITE1.G7 247.85,247.93 ; SITE1.G7 248.33,247.45 ; SITE1.G7 248.33,248.41 ; 401.32,334.47 D109.A9 ; D109.A9 402.13,335.28 ; D109.A9 401.32,336.09 ; D109.A9 400.51,335.28 ; D108.A6 394.51,35.56 ; D108.A6 393.7,36.37 ; D108.A6 393.7,34.75 ; D108.A6 392.89,35.56 ; 37.29,93.98 D125.A11 ; D125.A11 38.1,94.79 ; D125.A11 38.1,93.17 ; D125.A11 38.91,93.98 ; 93.17,81.28 D130.B4 ; D130.B4 93.98,80.47 ; D130.B4 94.79,81.28 ; D130.B4 93.98,82.09 ; 258.27,13.97 DPS3.A11 ; DPS3.A11 259.89,13.97 ; DPS3.A11 259.08,14.78 ; DPS3.A11 259.08,13.16 ; D124.A2 237.03,35.56 ; D124.A2 236.22,34.75 ; D124.A2 235.41,35.56 ; D124.A2 236.22,36.37 ; D317.B9 181.05,88.9 ; D317.B9 179.63,88.9 ; D317.B9 180.34,88.19 ; D317.B9 180.34,89.61 ; SITE3.G14 250.23,183.31 ; SITE3.G14 249.75,182.83 ; SITE3.G14 250.23,182.35 ; SITE3.G14 250.71,182.83 ; D306.A8 398.78,66.75 ; D306.A8 398.07,66.04 ; D306.A8 399.49,66.04 ; D306.A8 398.78,65.33 ; 390.35,370.84 D111.B13 ; D111.B13 391.97,370.84 ; D111.B13 391.16,370.03 ; D111.B13 391.16,371.65 ; 180.34,57.61 D119.B9 ; D119.B9 181.15,58.42 ; D119.B9 179.53,58.42 ; D119.B9 180.34,59.23 ; D122.B7 249.73,78.74 ; D122.B7 248.92,77.93 ; D122.B7 248.11,78.74 ; D122.B7 248.92,79.55 ; 264.16,52.53 D123.A13 ; D123.A13 264.97,53.34 ; D123.A13 264.16,54.15 ; D123.A13 263.35,53.34 ; D125.B7 27.94,99.87 ; D125.B7 28.75,99.06 ; D125.B7 27.94,98.25 ; D125.B7 27.13,99.06 ; 167.64,34.75 D120.A4 ; D120.A4 168.45,35.56 ; D120.A4 167.64,36.37 ; D120.A4 166.83,35.56 ; 321.77,58.42 D103.B7 ; D103.B7 323.39,58.42 ; D103.B7 322.58,57.61 ; D103.B7 322.58,59.23 ; D103.A16 346.25,55.88 ; D103.A16 345.44,56.69 ; D103.A16 345.44,55.07 ; D103.A16 344.63,55.88 ; D123.A5 243.84,54.15 ; D123.A5 243.03,53.34 ; D123.A5 243.84,52.53 ; D123.A5 244.65,53.34 ; D126.B9 33.02,79.55 ; D126.B9 33.83,78.74 ; D126.B9 33.02,77.93 ; D126.B9 32.21,78.74 ; D119.A4 167.64,56.69 ; D119.A4 168.45,55.88 ; D119.A4 167.64,55.07 ; D119.A4 166.83,55.88 ; D130.A3 92.25,73.66 ; D130.A3 91.44,74.47 ; D130.A3 90.63,73.66 ; D130.A3 91.44,72.85 ; 169.37,53.34 D119.A5 ; D119.A5 170.99,53.34 ; D119.A5 170.18,52.53 ; D119.A5 170.18,54.15 ; SITE2.G5 332.81,241.33 ; SITE2.G5 332.33,240.85 ; SITE2.G5 331.85,241.33 ; SITE2.G5 332.33,241.81 ; D123.A1 234.49,53.34 ; D123.A1 233.68,52.53 ; D123.A1 233.68,54.15 ; D123.A1 232.87,53.34 ; D118.A11 186.23,73.66 ; D118.A11 185.42,74.47 ; D118.A11 185.42,72.85 ; D118.A11 184.61,73.66 ; D130.A1 87.17,73.66 ; D130.A1 86.36,72.85 ; D130.A1 85.55,73.66 ; D130.A1 86.36,74.47 ; D120.A7 175.26,33.83 ; D120.A7 176.07,33.02 ; D120.A7 175.26,32.21 ; D120.A7 174.45,33.02 ; 116.84,72.85 D130.A13 ; D130.A13 116.03,73.66 ; D130.A13 117.65,73.66 ; D130.A13 116.84,74.47 ; 232.87,73.66 D122.A1 ; D122.A1 233.68,74.47 ; D122.A1 233.68,72.85 ; D122.A1 234.49,73.66 ; D322.B5 243.84,69.29 ; D322.B5 243.13,68.58 ; D322.B5 243.84,67.87 ; D322.B5 244.55,68.58 ; D131.A14 120.19,55.88 ; D131.A14 118.57,55.88 ; D131.A14 119.38,55.07 ; D131.A14 119.38,56.69 ; D116.B2 346.25,388.62 ; D116.B2 344.63,388.62 ; D116.B2 345.44,389.43 ; D116.B2 345.44,387.81 ; D113.A13 318.31,335.28 ; D113.A13 317.5,336.09 ; D113.A13 316.69,335.28 ; D113.A13 317.5,334.47 ; D129.B16 124.46,102.41 ; D129.B16 125.27,101.6 ; D129.B16 123.65,101.6 ; D129.B16 124.46,100.79 ; 252.33,247.45 SITE1.G11 ; SITE1.G11 252.33,248.41 ; SITE1.G11 252.81,247.93 ; SITE1.G11 251.85,247.93 ; D128.A6 25.4,36.37 ; D128.A6 25.4,34.75 ; D128.A6 24.59,35.56 ; D128.A6 26.21,35.56 ; 248.85,181.33 SITE3.G2 ; SITE3.G2 249.33,181.81 ; SITE3.G2 249.81,181.33 ; SITE3.G2 249.33,180.85 ; D322.A4 241.3,66.75 ; D322.A4 240.59,66.04 ; D322.A4 242.01,66.04 ; D322.A4 241.3,65.33 ; D103.B2 309.88,61.77 ; D103.B2 309.88,60.15 ; D103.B2 309.07,60.96 ; D103.B2 310.69,60.96 ; 161.75,35.56 D120.A2 ; D120.A2 162.56,34.75 ; D120.A2 163.37,35.56 ; D120.A2 162.56,36.37 ; D321.B4 242.01,91.44 ; D321.B4 241.3,92.15 ; D321.B4 240.59,91.44 ; D321.B4 241.3,90.73 ; D108.B4 388.62,41.45 ; D108.B4 389.43,40.64 ; D108.B4 388.62,39.83 ; D108.B4 387.81,40.64 ; CSDPS425.B14 241.3,343.71 ; CSDPS425.B14 242.11,342.9 ; CSDPS425.B14 241.3,342.09 ; CSDPS425.B14 240.49,342.9 ; 166.83,383.54 D431.A14 ; D431.A14 167.64,384.35 ; D431.A14 168.45,383.54 ; D431.A14 167.64,382.73 ; D106.A3 386.08,74.47 ; D106.A3 386.08,72.85 ; D106.A3 386.89,73.66 ; D106.A3 385.27,73.66 ; 329.33,247.45 SITE2.G8 ; SITE2.G8 329.81,247.93 ; SITE2.G8 329.33,248.41 ; SITE2.G8 328.85,247.93 ; 99.06,34.75 D132.A6 ; D132.A6 99.87,35.56 ; D132.A6 98.25,35.56 ; D132.A6 99.06,36.37 ; 34.75,101.6 D125.B10 ; D125.B10 35.56,102.41 ; D125.B10 36.37,101.6 ; D125.B10 35.56,100.79 ; D122.A7 248.92,74.47 ; D122.A7 248.11,73.66 ; D122.A7 248.92,72.85 ; D122.A7 249.73,73.66 ; D318.A13 191.21,63.5 ; D318.A13 189.79,63.5 ; D318.A13 190.5,64.21 ; D318.A13 190.5,62.79 ; D118.B5 170.18,79.55 ; D118.B5 169.37,78.74 ; D118.B5 170.18,77.93 ; D118.B5 170.99,78.74 ; D306.B1 381.71,68.58 ; D306.B1 381,67.87 ; D306.B1 380.29,68.58 ; D306.B1 381,69.29 ; D110.A3 416.56,356.41 ; D110.A3 416.56,354.79 ; D110.A3 417.37,355.6 ; D110.A3 415.75,355.6 ; D102.B14 340.36,82.09 ; D102.B14 339.55,81.28 ; D102.B14 340.36,80.47 ; D102.B14 341.17,81.28 ; D132.A10 110.03,35.56 ; D132.A10 108.41,35.56 ; D132.A10 109.22,36.37 ; D132.A10 109.22,34.75 ; 166.93,66.04 D318.A4 ; D318.A4 167.64,65.33 ; D318.A4 168.35,66.04 ; D318.A4 167.64,66.75 ; D132.B13 117.65,38.1 ; D132.B13 116.03,38.1 ; D132.B13 116.84,38.91 ; D132.B13 116.84,37.29 ; 193.04,367.49 D231.B4 ; D231.B4 193.04,369.11 ; D231.B4 192.23,368.3 ; D231.B4 193.85,368.3 ; 19.51,40.64 D128.B4 ; D128.B4 20.32,39.83 ; D128.B4 21.13,40.64 ; D128.B4 20.32,41.45 ; 185.42,67.87 D318.B11 ; D318.B11 185.42,69.29 ; D318.B11 184.71,68.58 ; D318.B11 186.13,68.58 ; D120.B3 165.1,38.91 ; D120.B3 164.29,38.1 ; D120.B3 165.1,37.29 ; D120.B3 165.91,38.1 ; 319.23,332.74 D113.A12 ; D113.A12 320.04,333.55 ; D113.A12 320.04,331.93 ; D113.A12 320.85,332.74 ; D125.B12 40.64,102.41 ; D125.B12 40.64,100.79 ; D125.B12 39.83,101.6 ; D125.B12 41.45,101.6 ; 235.51,86.36 D321.A2 ; D321.A2 236.93,86.36 ; D321.A2 236.22,87.07 ; D321.A2 236.22,85.65 ; D301.A13 338.53,83.82 ; D301.A13 337.82,83.11 ; D301.A13 337.82,84.53 ; D301.A13 337.11,83.82 ; 330.2,387.81 D116.B8 ; D116.B8 329.39,388.62 ; D116.B8 330.2,389.43 ; D116.B8 331.01,388.62 ; 109.22,100.79 D129.B10 ; D129.B10 110.03,101.6 ; D129.B10 108.41,101.6 ; D129.B10 109.22,102.41 ; SITE2.G2 329.33,241.81 ; SITE2.G2 329.81,241.33 ; SITE2.G2 328.85,241.33 ; SITE2.G2 329.33,240.85 ; 16.97,38.1 D128.B3 ; D128.B3 17.78,37.29 ; D128.B3 17.78,38.91 ; D128.B3 18.59,38.1 ; D120.A6 173.53,35.56 ; D120.A6 172.72,34.75 ; D120.A6 171.91,35.56 ; D120.A6 172.72,36.37 ; 108.41,60.96 D131.B10 ; D131.B10 110.03,60.96 ; D131.B10 109.22,61.77 ; D131.B10 109.22,60.15 ; D113.B14 315.77,327.66 ; D113.B14 314.96,326.85 ; D113.B14 314.96,328.47 ; D113.B14 314.15,327.66 ; 180.34,32.21 D120.A9 ; D120.A9 180.34,33.83 ; D120.A9 181.15,33.02 ; D120.A9 179.53,33.02 ; 400.61,63.5 D306.A9 ; D306.A9 401.32,64.21 ; D306.A9 401.32,62.79 ; D306.A9 402.03,63.5 ; CSDPS225.C1 275.13,330.2 ; CSDPS225.C1 274.32,331.01 ; CSDPS225.C1 274.32,329.39 ; CSDPS225.C1 273.51,330.2 ; 34.75,40.64 D128.B10 ; D128.B10 35.56,41.45 ; D128.B10 35.56,39.83 ; D128.B10 36.37,40.64 ; 390.35,19.05 DPS1.C05 ; DPS1.C05 391.16,18.24 ; DPS1.C05 391.16,19.86 ; DPS1.C05 391.97,19.05 ; D102.A3 313.23,73.66 ; D102.A3 311.61,73.66 ; D102.A3 312.42,74.47 ; D102.A3 312.42,72.85 ; D125.A7 28.75,93.98 ; D125.A7 27.13,93.98 ; D125.A7 27.94,94.79 ; D125.A7 27.94,93.17 ; 270.97,35.56 D124.A16 ; D124.A16 271.78,36.37 ; D124.A16 272.59,35.56 ; D124.A16 271.78,34.75 ; D118.B15 196.39,78.74 ; D118.B15 195.58,79.55 ; D118.B15 194.77,78.74 ; D118.B15 195.58,77.93 ; 386.08,390.35 D112.B15 ; D112.B15 385.27,391.16 ; D112.B15 386.08,391.97 ; D112.B15 386.89,391.16 ; 49.99,81.28 D126.B16 ; D126.B16 50.8,80.47 ; D126.B16 51.61,81.28 ; D126.B16 50.8,82.09 ; 403.15,66.04 D306.A10 ; D306.A10 403.86,65.33 ; D306.A10 404.57,66.04 ; D306.A10 403.86,66.75 ; D119.A10 182.88,56.69 ; D119.A10 183.69,55.88 ; D119.A10 182.07,55.88 ; D119.A10 182.88,55.07 ; D102.A4 314.96,77.01 ; D102.A4 314.96,75.39 ; D102.A4 314.15,76.2 ; D102.A4 315.77,76.2 ; D317.B16 198.12,92.15 ; D317.B16 197.41,91.44 ; D317.B16 198.12,90.73 ; D317.B16 198.83,91.44 ; D126.B10 35.56,82.09 ; D126.B10 36.37,81.28 ; D126.B10 34.75,81.28 ; D126.B10 35.56,80.47 ; 33.02,72.85 D126.A9 ; D126.A9 33.83,73.66 ; D126.A9 33.02,74.47 ; D126.A9 32.21,73.66 ; 416.56,370.03 D111.B3 ; D111.B3 415.75,370.84 ; D111.B3 416.56,371.65 ; D111.B3 417.37,370.84 ; SITE3.G5 252.81,181.33 ; SITE3.G5 251.85,181.33 ; SITE3.G5 252.33,181.81 ; SITE3.G5 252.33,180.85 ; D131.B14 119.38,61.77 ; D131.B14 120.19,60.96 ; D131.B14 118.57,60.96 ; D131.B14 119.38,60.15 ; 39.83,76.2 D126.A12 ; D126.A12 40.64,77.01 ; D126.A12 40.64,75.39 ; D126.A12 41.45,76.2 ; D112.B4 414.83,388.62 ; D112.B4 414.02,387.81 ; D112.B4 414.02,389.43 ; D112.B4 413.21,388.62 ; D115.A8 330.2,374.19 ; D115.A8 329.39,373.38 ; D115.A8 331.01,373.38 ; D115.A8 330.2,372.57 ; D322.A9 254.71,63.5 ; D322.A9 253.29,63.5 ; D322.A9 254,62.79 ; D322.A9 254,64.21 ; 113.49,81.28 D130.B12 ; D130.B12 114.3,80.47 ; D130.B12 115.11,81.28 ; D130.B12 114.3,82.09 ; D106.A12 409.75,76.2 ; D106.A12 408.94,75.39 ; D106.A12 408.13,76.2 ; D106.A12 408.94,77.01 ; 334.47,388.62 D116.B6 ; D116.B6 335.28,387.81 ; D116.B6 335.28,389.43 ; D116.B6 336.09,388.62 ; 345.44,372.57 D115.A2 ; D115.A2 346.25,373.38 ; D115.A2 344.63,373.38 ; D115.A2 345.44,374.19 ; 32.21,58.42 D127.B9 ; D127.B9 33.02,57.61 ; D127.B9 33.83,58.42 ; D127.B9 33.02,59.23 ; D431.B3 195.58,381.81 ; D431.B3 196.39,381 ; D431.B3 195.58,380.19 ; D431.B3 194.77,381 ; D125.A8 31.29,96.52 ; D125.A8 30.48,97.33 ; D125.A8 30.48,95.71 ; D125.A8 29.67,96.52 ; D431.B11 176.07,381 ; D431.B11 175.26,380.19 ; D431.B11 174.45,381 ; D431.B11 175.26,381.81 ; D109.A15 386.08,336.09 ; D109.A15 385.27,335.28 ; D109.A15 386.08,334.47 ; D109.A15 386.89,335.28 ; 321.77,53.34 D103.A7 ; D103.A7 323.39,53.34 ; D103.A7 322.58,54.15 ; D103.A7 322.58,52.53 ; 380.19,73.66 D106.A1 ; D106.A1 381,72.85 ; D106.A1 381.81,73.66 ; D106.A1 381,74.47 ; 314.15,35.56 D104.A4 ; D104.A4 314.96,34.75 ; D104.A4 315.77,35.56 ; D104.A4 314.96,36.37 ; D131.A15 121.92,54.15 ; D131.A15 121.92,52.53 ; D131.A15 121.11,53.34 ; D131.A15 122.73,53.34 ; D125.A14 46.53,96.52 ; D125.A14 45.72,95.71 ; D125.A14 44.91,96.52 ; D125.A14 45.72,97.33 ; 199.85,386.08 D431.A1 ; D431.A1 200.66,386.89 ; D431.A1 201.47,386.08 ; D431.A1 200.66,385.27 ; 90.63,78.74 D130.B3 ; D130.B3 92.25,78.74 ; D130.B3 91.44,79.55 ; D130.B3 91.44,77.93 ; D102.B15 343.71,78.74 ; D102.B15 342.09,78.74 ; D102.B15 342.9,79.55 ; D102.B15 342.9,77.93 ; 320.04,60.15 D103.B6 ; D103.B6 319.23,60.96 ; D103.B6 320.04,61.77 ; D103.B6 320.85,60.96 ; D431.B15 165.91,381 ; D431.B15 165.1,381.81 ; D431.B15 164.29,381 ; D431.B15 165.1,380.19 ; 249.85,241.33 SITE1.G3 ; SITE1.G3 250.33,241.81 ; SITE1.G3 250.81,241.33 ; SITE1.G3 250.33,240.85 ; 312.42,349.71 D114.B15 ; D114.B15 311.61,350.52 ; D114.B15 313.23,350.52 ; D114.B15 312.42,351.33 ; 268.43,330.2 CSDPS225.C3 ; CSDPS225.C3 270.05,330.2 ; CSDPS225.C3 269.24,331.01 ; CSDPS225.C3 269.24,329.39 ; D107.A16 419.91,55.88 ; D107.A16 418.29,55.88 ; D107.A16 419.1,55.07 ; D107.A16 419.1,56.69 ; D108.A8 398.78,36.37 ; D108.A8 399.59,35.56 ; D108.A8 398.78,34.75 ; D108.A8 397.97,35.56 ; D108.B13 411.48,38.91 ; D108.B13 410.67,38.1 ; D108.B13 412.29,38.1 ; D108.B13 411.48,37.29 ; 250.85,247.93 SITE1.G10 ; SITE1.G10 251.33,247.45 ; SITE1.G10 251.33,248.41 ; SITE1.G10 251.81,247.93 ; D318.B1 160.02,69.29 ; D318.B1 160.73,68.58 ; D318.B1 160.02,67.87 ; D318.B1 159.31,68.58 ; D126.A16 51.61,76.2 ; D126.A16 50.8,77.01 ; D126.A16 49.99,76.2 ; D126.A16 50.8,75.39 ; D431.A15 165.91,386.08 ; D431.A15 165.1,386.89 ; D431.A15 164.29,386.08 ; D431.A15 165.1,385.27 ; 406.4,18.24 DPS1.C11 ; DPS1.C11 406.4,19.86 ; DPS1.C11 407.21,19.05 ; DPS1.C11 405.59,19.05 ; D116.A1 348.79,396.24 ; D116.A1 347.98,397.05 ; D116.A1 347.17,396.24 ; D116.A1 347.98,395.43 ; D104.B3 312.42,38.91 ; D104.B3 313.23,38.1 ; D104.B3 311.61,38.1 ; D104.B3 312.42,37.29 ; D116.A12 320.04,394.51 ; D116.A12 319.23,393.7 ; D116.A12 320.85,393.7 ; D116.A12 320.04,392.89 ; 410.67,350.52 D110.B5 ; D110.B5 411.48,351.33 ; D110.B5 411.48,349.71 ; D110.B5 412.29,350.52 ; D115.A10 325.12,374.19 ; D115.A10 324.31,373.38 ; D115.A10 325.93,373.38 ; D115.A10 325.12,372.57 ; 405.59,391.16 D112.B7 ; D112.B7 406.4,391.97 ; D112.B7 407.21,391.16 ; D112.B7 406.4,390.35 ; 179.63,63.5 D318.A9 ; D318.A9 180.34,64.21 ; D318.A9 181.05,63.5 ; D318.A9 180.34,62.79 ; 159.21,38.1 D120.B1 ; D120.B1 160.02,38.91 ; D120.B1 160.83,38.1 ; D120.B1 160.02,37.29 ; 419.1,80.47 D106.B16 ; D106.B16 419.1,82.09 ; D106.B16 418.29,81.28 ; D106.B16 419.91,81.28 ; 401.32,88.19 D305.B9 ; D305.B9 402.03,88.9 ; D305.B9 401.32,89.61 ; D305.B9 400.61,88.9 ; D305.A12 408.94,87.07 ; D305.A12 408.94,85.65 ; D305.A12 408.23,86.36 ; D305.A12 409.65,86.36 ; SITE4.G16 333.11,182.83 ; SITE4.G16 332.63,182.35 ; SITE4.G16 332.15,182.83 ; SITE4.G16 332.63,183.31 ; D129.A2 88.9,97.33 ; D129.A2 89.71,96.52 ; D129.A2 88.9,95.71 ; D129.A2 88.09,96.52 ; D301.A2 309.88,87.07 ; D301.A2 309.17,86.36 ; D301.A2 310.59,86.36 ; D301.A2 309.88,85.65 ; CSDPS225.B6 262.43,332.74 ; CSDPS225.B6 260.81,332.74 ; CSDPS225.B6 261.62,333.55 ; CSDPS225.B6 261.62,331.93 ; D302.B12 335.99,71.12 ; D302.B12 334.57,71.12 ; D302.B12 335.28,71.83 ; D302.B12 335.28,70.41 ; 321.77,350.52 D114.B11 ; D114.B11 323.39,350.52 ; D114.B11 322.58,351.33 ; D114.B11 322.58,349.71 ; D305.B3 386.79,88.9 ; D305.B3 386.08,89.61 ; D305.B3 386.08,88.19 ; D305.B3 385.37,88.9 ; D302.A16 345.44,66.75 ; D302.A16 344.73,66.04 ; D302.A16 345.44,65.33 ; D302.A16 346.15,66.04 ; 88.9,75.39 D130.A2 ; D130.A2 88.09,76.2 ; D130.A2 88.9,77.01 ; D130.A2 89.71,76.2 ; 174.45,38.1 D120.B7 ; D120.B7 175.26,37.29 ; D120.B7 175.26,38.91 ; D120.B7 176.07,38.1 ; UNK2U1.4 482.59,229.49 ; UNK2U1.4 481.65,228.55 ; UNK2U1.4 482.59,227.61 ; UNK2U1.4 483.53,228.55 ; 395.53,63.5 D306.A7 ; D306.A7 396.95,63.5 ; D306.A7 396.24,64.21 ; D306.A7 396.24,62.79 ; 254,88.19 D321.B9 ; D321.B9 254,89.61 ; D321.B9 253.29,88.9 ; D321.B9 254.71,88.9 ; D322.B9 254.71,68.58 ; D322.B9 254,69.29 ; D322.B9 254,67.87 ; D322.B9 253.29,68.58 ; D129.A3 91.44,94.79 ; D129.A3 91.44,93.17 ; D129.A3 90.63,93.98 ; D129.A3 92.25,93.98 ; D301.B11 333.45,88.9 ; D301.B11 332.03,88.9 ; D301.B11 332.74,88.19 ; D301.B11 332.74,89.61 ; D231.B8 182.88,369.11 ; D231.B8 182.88,367.49 ; D231.B8 183.69,368.3 ; D231.B8 182.07,368.3 ; 385.37,63.5 D306.A3 ; D306.A3 386.79,63.5 ; D306.A3 386.08,62.79 ; D306.A3 386.08,64.21 ; 309.07,373.38 D115.A16 ; D115.A16 309.88,374.19 ; D115.A16 310.69,373.38 ; D115.A16 309.88,372.57 ; D108.B15 417.37,38.1 ; D108.B15 416.56,38.91 ; D108.B15 415.75,38.1 ; D108.B15 416.56,37.29 ; 250.23,245.95 SITE1.G18 ; SITE1.G18 249.75,246.43 ; SITE1.G18 250.71,246.43 ; SITE1.G18 250.23,246.91 ; D110.A12 393.7,353.87 ; D110.A12 393.7,352.25 ; D110.A12 394.51,353.06 ; D110.A12 392.89,353.06 ; 177.09,71.12 D318.B8 ; D318.B8 178.51,71.12 ; D318.B8 177.8,71.83 ; D318.B8 177.8,70.41 ; 104.14,75.39 D130.A8 ; D130.A8 104.14,77.01 ; D130.A8 104.95,76.2 ; D130.A8 103.33,76.2 ; D322.B16 271.78,71.83 ; D322.B16 271.78,70.41 ; D322.B16 272.49,71.12 ; D322.B16 271.07,71.12 ; 320.04,326.85 D113.B12 ; D113.B12 320.85,327.66 ; D113.B12 319.23,327.66 ; D113.B12 320.04,328.47 ; D103.A4 315.77,55.88 ; D103.A4 314.96,55.07 ; D103.A4 314.15,55.88 ; D103.A4 314.96,56.69 ; 100.79,53.34 D131.A7 ; D131.A7 102.41,53.34 ; D131.A7 101.6,52.53 ; D131.A7 101.6,54.15 ; 420.83,330.2 D109.B1 ; D109.B1 421.64,329.39 ; D109.B1 422.45,330.2 ; D109.B1 421.64,331.01 ; CSDPS429.C13 170.99,340.36 ; CSDPS429.C13 169.37,340.36 ; CSDPS429.C13 170.18,339.55 ; CSDPS429.C13 170.18,341.17 ; 233.68,83.11 D321.A1 ; D321.A1 234.39,83.82 ; D321.A1 233.68,84.53 ; D321.A1 232.97,83.82 ; 268.43,78.74 D122.B15 ; D122.B15 269.24,77.93 ; D122.B15 269.24,79.55 ; D122.B15 270.05,78.74 ; 14.43,96.52 D125.A2 ; D125.A2 15.24,95.71 ; D125.A2 16.05,96.52 ; D125.A2 15.24,97.33 ; D118.A4 168.45,76.2 ; D118.A4 167.64,77.01 ; D118.A4 166.83,76.2 ; D118.A4 167.64,75.39 ; D112.B3 416.56,391.97 ; D112.B3 416.56,390.35 ; D112.B3 415.75,391.16 ; D112.B3 417.37,391.16 ; 387.81,60.96 D107.B4 ; D107.B4 388.62,61.77 ; D107.B4 388.62,60.15 ; D107.B4 389.43,60.96 ; D305.A5 391.16,84.53 ; D305.A5 391.16,83.11 ; D305.A5 391.87,83.82 ; D305.A5 390.45,83.82 ; 395.43,370.84 D111.B11 ; D111.B11 396.24,370.03 ; D111.B11 397.05,370.84 ; D111.B11 